# Altium PCB Power_Board.PcbDoc (part 1 of 2)
Units mm, origin at the board's own origin, x right, y up, seen from the top; angles counter-clockwise.
Board outline 100 x 100 mm, 4 copper layers (Top Layer, Signal Layer 1, Signal Layer 2, Bottom Layer), stack 1.551 mm thick; 412 components, 192 nets, 1206 pads, 0 vias.
Unrouted connection lines stored in the file: 963.
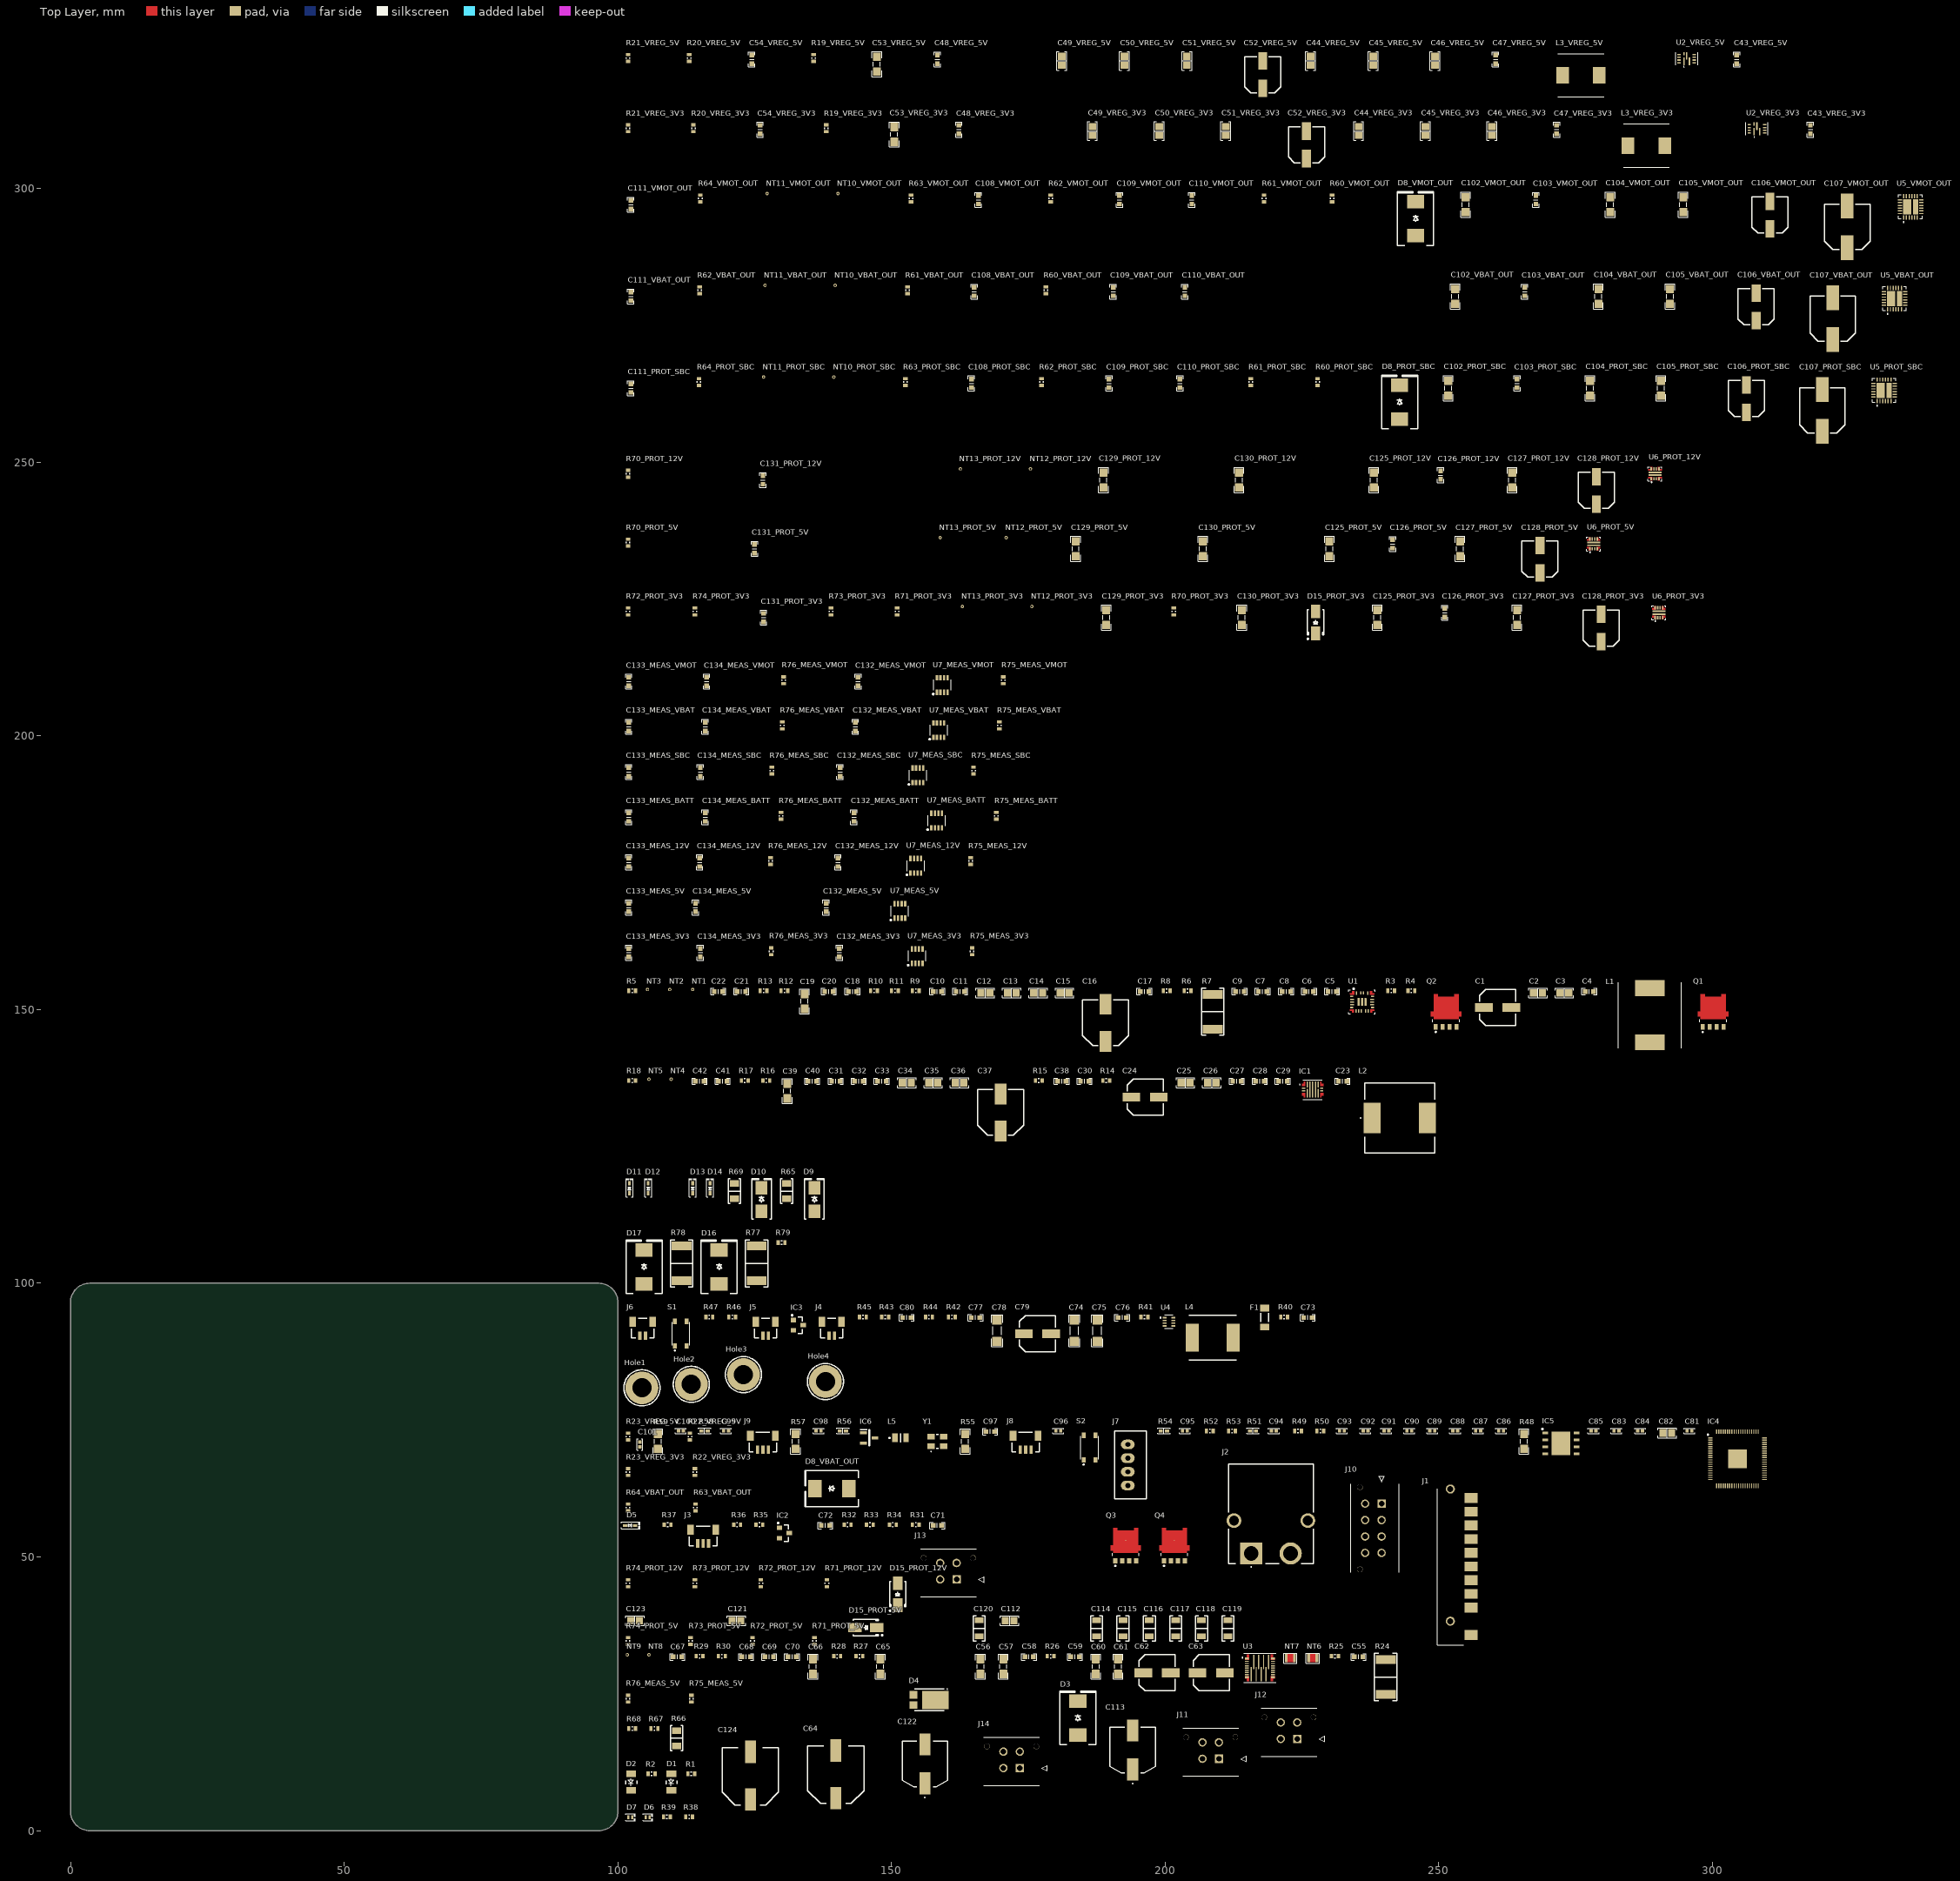
[diagram p0: Top Layer view]
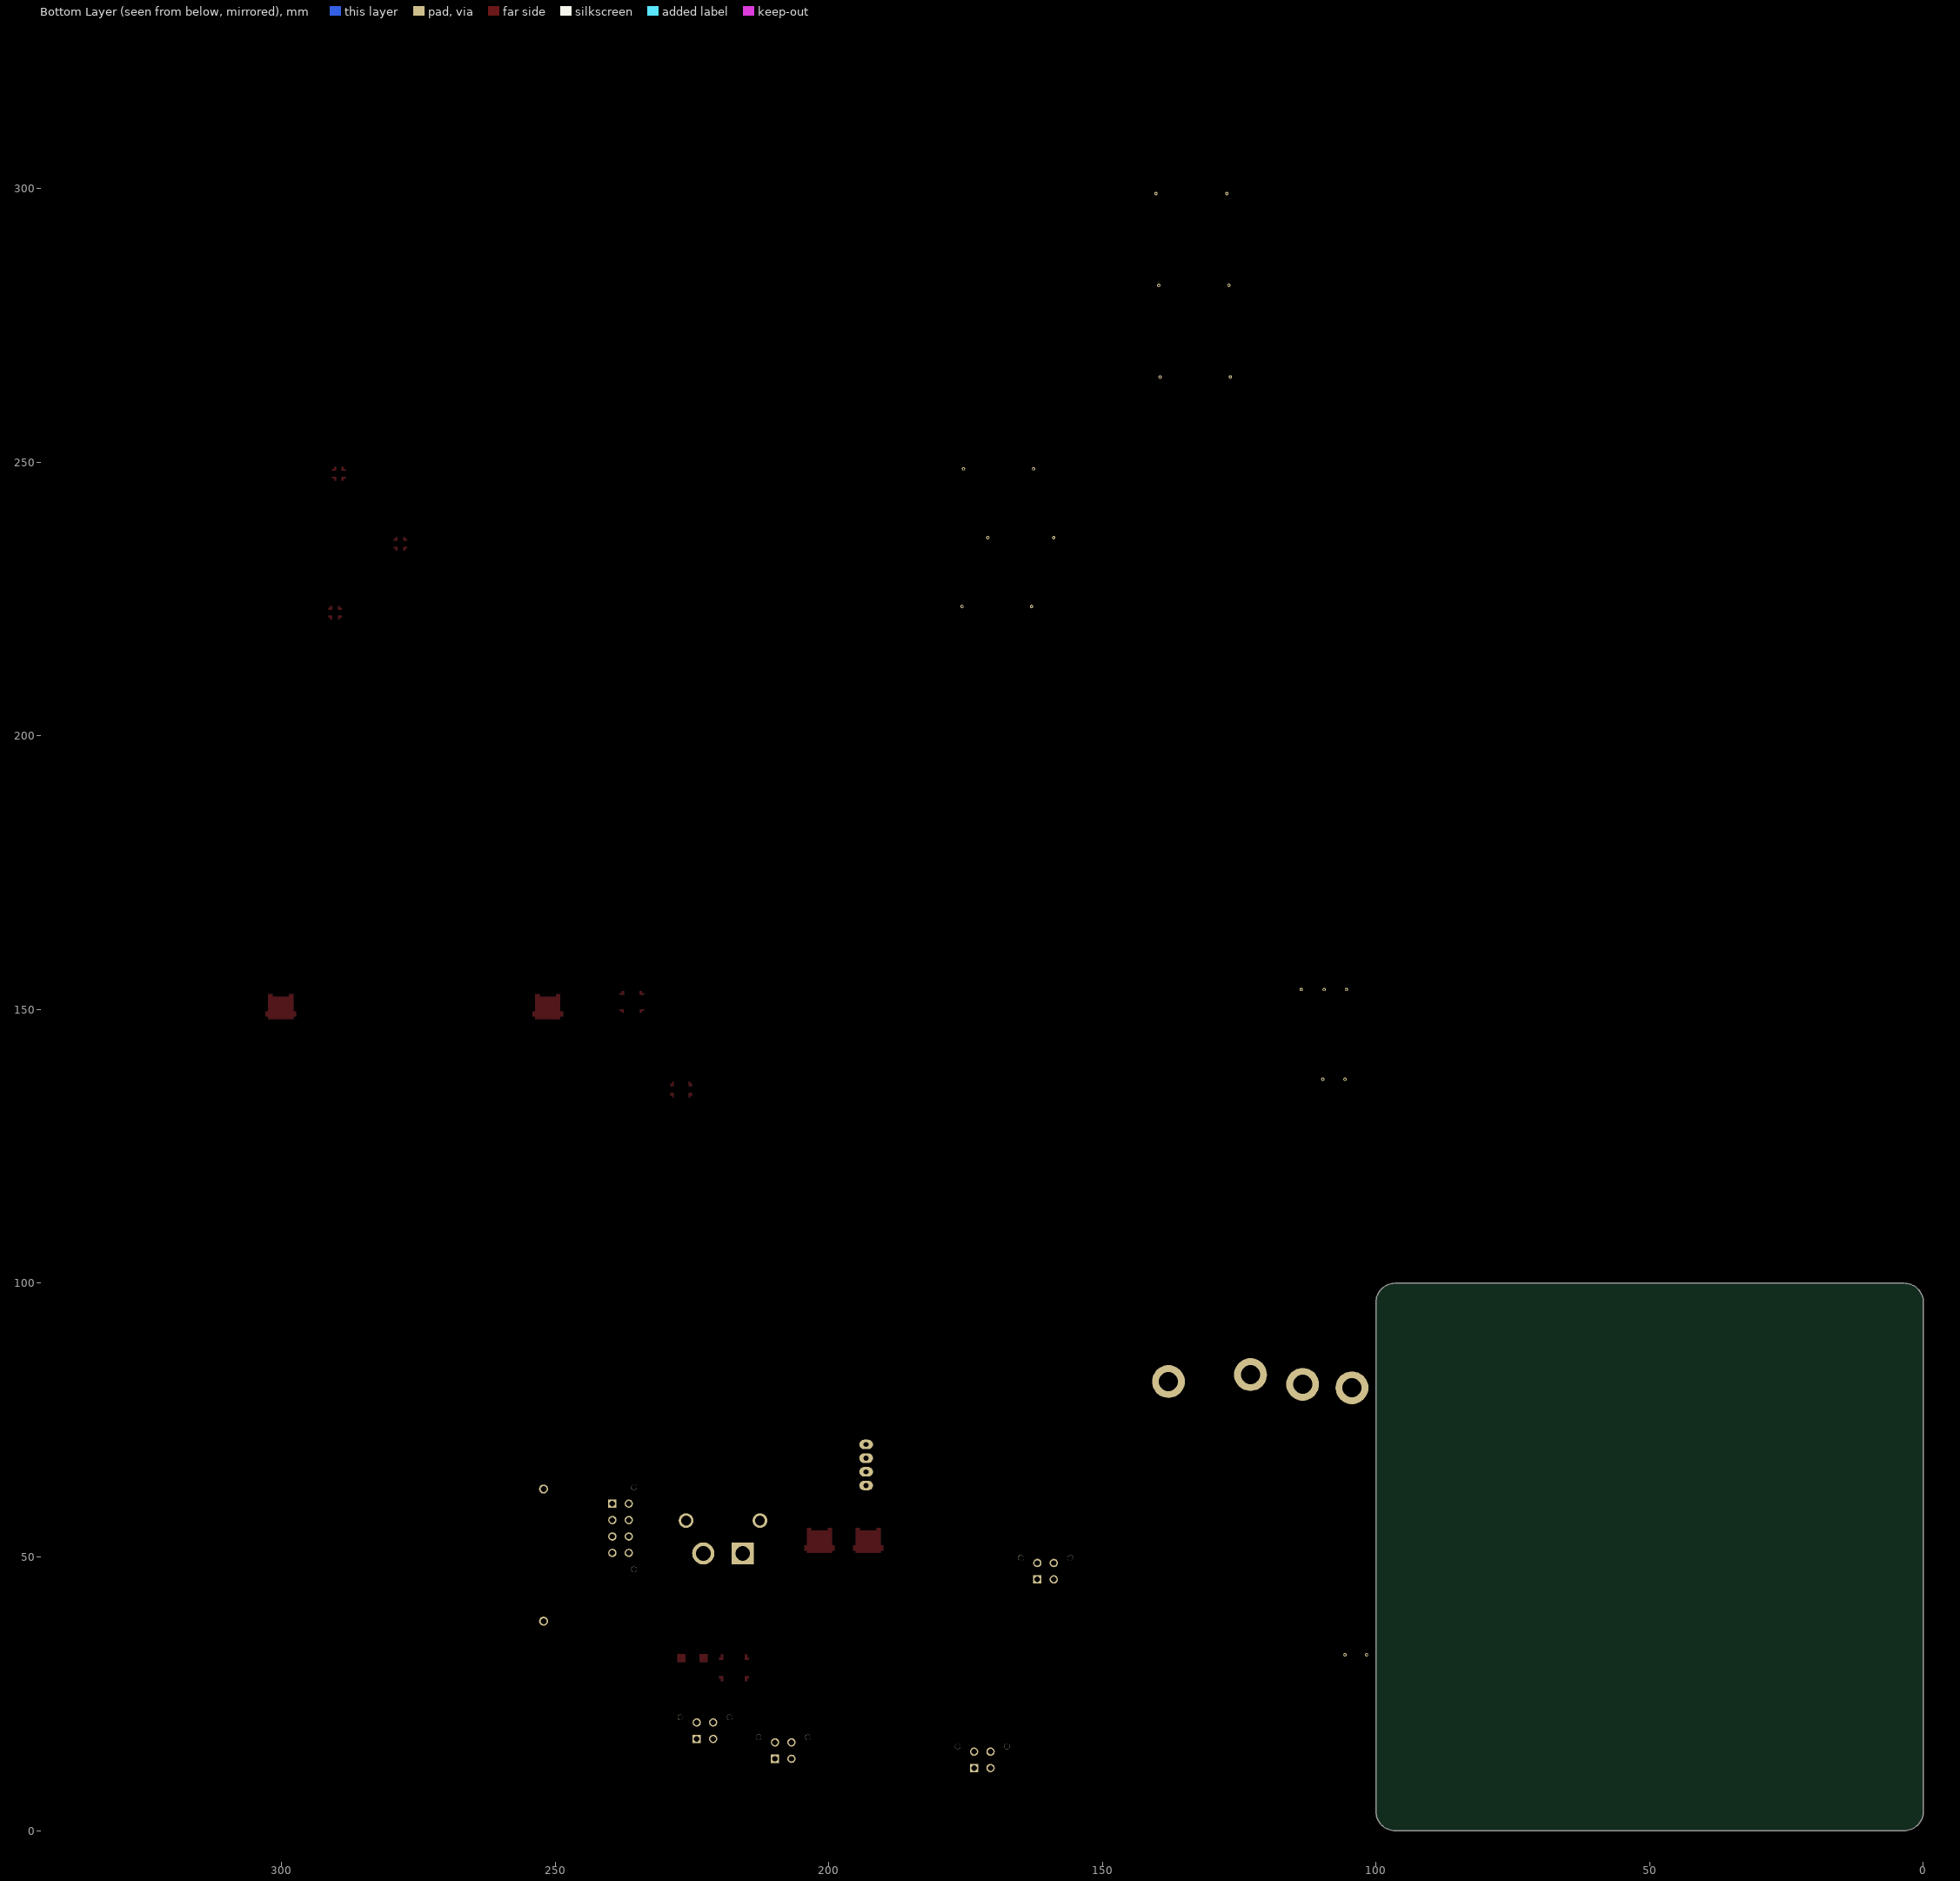
[diagram p1: Bottom Layer view, seen from below]

## Layer stack, top to bottom
Top Solder: solder mask 0.0254, SM-002, Dk 4
Top Layer: signal copper 0.07
Dielectric 2: prepreg 0.2896, PP-006, Dk 4.2
Signal Layer 1: signal copper 0.035
Dielectric 1: core 0.762, FR-4, Dk 4.2
Signal Layer 2: signal copper 0.035
Dielectric 3: prepreg 0.2896, PP-006, Dk 4.2
Bottom Layer: signal copper 0.07
Bottom Solder: solder mask 0.0254, SM-002, Dk 4

## Board outline
3.479,0 cw(c3.479,3.479) 0,3.479 0,96.521 cw(c3.479,96.521) 3.479,100 96.521,100 cw(c96.521,96.521) 100,96.521 100,3.479 cw(c96.521,3.479) 96.521,0

## Design rules (kind name [scope] priority, off if disabled: settings)
BoardOutlineClearance [All] p1: gap=0.2 ignorepadtopadclearanceinfootprint=FALSE
Clearance "Stitching GND" [IsStitchingVia and InNet('GND') vs (IsVia and (Not IsStitchingVia)) Or IsPad] p1: gap=0.2 ignorepadtopadclearanceinfootprint=FALSE except(0.15: SMDPad-SMDPad; 0.28: Arc-Hole Track-Hole)
Clearance [All] p2: gap=0.2 ignorepadtopadclearanceinfootprint=FALSE except(0.15: SMDPad-SMDPad; 0.28: Arc-Hole Track-Hole)
DiffPairsRouting [All] p1: maxlimit=0.254 minlimit=0.254 mostfreqgap=0.254 toplayer_minwidth=0.381 toplayer_maxwidth=0.381 toplayer_prefwidth=0.381 midlayer1_minwidth=0.381 midlayer1_maxwidth=0.381 midlayer1_prefwidth=0.381 midlayer2_minwidth=0.381 midlayer2_maxwidth=0.381 midlayer2_prefwidth=0.381 bottomlayer_minwidth=0.381 bottomlayer_maxwidth=0.381 bottomlayer_prefwidth=0.381 maxuncoupledlength=12.7
HoleSize [All] p1: absolutevalues=TRUE maxlimit=6 minlimit=0.3 maxpercent=80.000 minpercent=20.000
HoleToHoleClearance HoleToHolePad [IsPad vs IsPad] p1: gap=0.45 allowstackedmicrovias=TRUE
HoleToHoleClearance HoleToHoleVia [IsVia vs IsVia] p2: gap=0.2 allowstackedmicrovias=TRUE
HoleToHoleClearance [All] p3: gap=0.3 allowstackedmicrovias=TRUE
MinimumAnnularRing MinimumViaAnnularRing [IsVia] p1: minimumring=0.15
MinimumAnnularRing [All] p2: minimumring=0.254
MinimumSolderMaskSliver [All] p1: minsoldermaskwidth=0.1
PlaneConnect [All] p1: planeconnectstyle=Relief reliefexpansion=0.508 reliefentries=4 reliefconductorwidth=0.32 reliefairgap=0.254
PolygonConnect MolexPwrGND [InNet('GND') vs IsPad And HasFootprint('43045-08YY_121314')] p1: connectstyle=Relief reliefconductorwidth=1 reliefentries=4 polygonreliefangle="90 Angle" conductorbypadedge=TRUE mindistance=0.381 enablemindistance=FALSE airgapwidth=0.35
PolygonConnect DRVTherrmalGND [InNet('GND') vs IsPad And HasFootprint('RXZ0016A-MFG')] p2: connectstyle=Direct reliefconductorwidth=0.254 reliefentries=4 polygonreliefangle="90 Angle" airgapwidth=0.254
PolygonConnect GNDStitchingDirect [InNet('GND')] p3: thpad.connectstyle=Relief thpad.reliefconductorwidth=0.32 thpad.reliefentries=4 thpad.polygonreliefangle="90 Angle" thpad.airgapwidth=0.254 thpad.conductorbypadedge=TRUE thpad.mindistance=0.381 thpad.enablemindistance=FALSE smdpad.connectstyle=Relief smdpad.reliefconductorwidth=0.32 smdpad.reliefentries=4 smdpad.polygonreliefangle="90 Angle" smdpad.airgapwidth=0.254 smdpad.conductorbypadedge=TRUE smdpad.mindistance=0.381 smdpad.enablemindistance=FALSE via.connectstyle=Direct via.reliefconductorwidth=0.254 via.reliefentries=4 via.polygonreliefangle="90 Angle" via.airgapwidth=0.254
PolygonConnect [All] p4: connectstyle=Relief reliefconductorwidth=0.32 reliefentries=4 polygonreliefangle="90 Angle" conductorbypadedge=TRUE mindistance=0.381 enablemindistance=FALSE airgapwidth=0.254
RoutingVias PowerVias [InNetClass('POWER') or InNet('GND')] p1: holewidth=0.5 width=0.8 viastyle="Through Hole" minholewidth=0.3 minwidth=0.6 maxholewidth=1.2 maxwidth=1.6
RoutingVias SignalVias [All] p2: holewidth=0.3 width=0.6 viastyle="Through Hole" minholewidth=0.3 minwidth=0.6 maxholewidth=0.5 maxwidth=0.8
SilkToSilkClearance [All] p1: silktosilkclearance=0.1
SilkToSolderMaskClearance [IsPad] p1: minsilkscreentomaskgap=0.1 clearancetoexposedcopper=TRUE
SolderMaskExpansion [All] p1: expansion=0.05 istentingtop=FALSE
SupplyNets "Schematic Supply Nets_18" [InNet('VSBC')] p1: voltage=20.00
SupplyNets "Schematic Supply Nets_16" [InNet('VMOT')] p2: voltage=12.60
SupplyNets "Schematic Supply Nets_15" [InNet('VBAT_OUT')] p3: voltage=12.60
SupplyNets "Schematic Supply Nets_14" [InNet('+12VR')] p4: voltage=12.00
SupplyNets "Schematic Supply Nets_13" [InNet('+5VR')] p5: voltage=5.000
SupplyNets "Schematic Supply Nets_12" [InNet('+3V3R')] p6: voltage=3.300
SupplyNets "Schematic Supply Nets_11" [InNet('+3V3')] p7: voltage=3.300
SupplyNets "Schematic Supply Nets_10" [InNet('VFBAT')] p8: voltage=12.60
SupplyNets "Schematic Supply Nets" [InNet('GND')] p9: voltage=0.000
SupplyNets "Schematic Supply Nets_70" [InNet('LPGND')] p10: voltage=0.000
SupplyNets "Schematic Supply Nets_69" [InNet('VGND')] p11: voltage=0.000
SupplyNets "Schematic Supply Nets_1" [InNet('HPGND')] p12: voltage=0.000
SupplyNets "Schematic Supply Nets_6" [InNet('FGND')] p13: voltage=0.000
SupplyNets "Schematic Supply Nets_8" [InNet('VBAT')] p14: voltage=12.60
SupplyNets "Schematic Supply Nets_7" [InNet('SVGND')] p15: voltage=0.000
SupplyNets "Schematic Supply Nets_5" [InNet('LVGND')] p16: voltage=0.000
SupplyNets "Schematic Supply Nets_4" [InNet('BGND')] p17: voltage=0.000
Width WidthPower [InNetClass('POWER') or InNet('GND')] p1: maxlimit=3 minlimit=0.2 preferedwidth=0.6
Width WidthSignal [All] p2: maxlimit=1 minlimit=0.2 preferedwidth=0.3
23 further rules are at their usual default settings.

## Classes and differential pairs
component class OUT_CONNS: C112 C113 C114 C115 C116 C117 C118 C119 C120 C121 C122 C123 C124 J10 J11 J12 J13 J14
channel class Power_Measurement: MEAS_3V3 MEAS_5V MEAS_12V MEAS_BATT MEAS_SBC MEAS_VBAT MEAS_VMOT
component class VBAT_OUTS: D16 D17 R77 R78 R79
component class MEAS_VMOT: C132_MEAS_VMOT C133_MEAS_VMOT C134_MEAS_VMOT R75_MEAS_VMOT R76_MEAS_VMOT U7_MEAS_VMOT
component class MEAS_VBAT: C132_MEAS_VBAT C133_MEAS_VBAT C134_MEAS_VBAT R75_MEAS_VBAT R76_MEAS_VBAT U7_MEAS_VBAT
component class MEAS_SBC: C132_MEAS_SBC C133_MEAS_SBC C134_MEAS_SBC R75_MEAS_SBC R76_MEAS_SBC U7_MEAS_SBC
component class MEAS_BATT: C132_MEAS_BATT C133_MEAS_BATT C134_MEAS_BATT R75_MEAS_BATT R76_MEAS_BATT U7_MEAS_BATT
component class MEAS_12V: C132_MEAS_12V C133_MEAS_12V C134_MEAS_12V R75_MEAS_12V R76_MEAS_12V U7_MEAS_12V
component class MEAS_5V: C132_MEAS_5V C133_MEAS_5V C134_MEAS_5V R75_MEAS_5V R76_MEAS_5V U7_MEAS_5V
component class MEAS_3V3: C132_MEAS_3V3 C133_MEAS_3V3 C134_MEAS_3V3 R75_MEAS_3V3 R76_MEAS_3V3 U7_MEAS_3V3
channel class Voltage_Buck_3A: VREG_3V3 VREG_5V
channel class STD_Protect: PROT_3V3 PROT_5V PROT_12V
channel class HPW_Protect: PROT_SBC VBAT_OUT VMOT_OUT
component class VOLT_REGS: D9 D10 D11 D12 D13 D14 R65 R66 R67 R68 R69
component class PROT_SBC: C102_PROT_SBC C103_PROT_SBC C104_PROT_SBC C105_PROT_SBC C106_PROT_SBC C107_PROT_SBC C108_PROT_SBC C109_PROT_SBC C110_PROT_SBC C111_PROT_SBC D8_PROT_SBC NT10_PROT_SBC NT11_PROT_SBC R60_PROT_SBC R61_PROT_SBC R62_PROT_SBC R63_PROT_SBC R64_PROT_SBC U5_PROT_SBC
component class PROT_12V: C125_PROT_12V C126_PROT_12V C127_PROT_12V C128_PROT_12V C129_PROT_12V C130_PROT_12V C131_PROT_12V D15_PROT_12V NT12_PROT_12V NT13_PROT_12V R70_PROT_12V R71_PROT_12V R72_PROT_12V R73_PROT_12V R74_PROT_12V U6_PROT_12V
component class PROT_5V: C125_PROT_5V C126_PROT_5V C127_PROT_5V C128_PROT_5V C129_PROT_5V C130_PROT_5V C131_PROT_5V D15_PROT_5V NT12_PROT_5V NT13_PROT_5V R70_PROT_5V R71_PROT_5V R72_PROT_5V R73_PROT_5V R74_PROT_5V U6_PROT_5V
component class PROT_3V3: C125_PROT_3V3 C126_PROT_3V3 C127_PROT_3V3 C128_PROT_3V3 C129_PROT_3V3 C130_PROT_3V3 C131_PROT_3V3 D15_PROT_3V3 NT12_PROT_3V3 NT13_PROT_3V3 R70_PROT_3V3 R71_PROT_3V3 R72_PROT_3V3 R73_PROT_3V3 R74_PROT_3V3 U6_PROT_3V3
component class VREG_12V: C23 C24 C25 C26 C27 C28 C29 C30 C31 C32 C33 C34 C35 C36 C37 C38 C39 C40 C41 C42 IC1 L2 NT4 NT5 R14 R15 R16 R17 R18
component class VREG_5V: C43_VREG_5V C44_VREG_5V C45_VREG_5V C46_VREG_5V C47_VREG_5V C48_VREG_5V C49_VREG_5V C50_VREG_5V C51_VREG_5V C52_VREG_5V C53_VREG_5V C54_VREG_5V L3_VREG_5V R19_VREG_5V R20_VREG_5V R21_VREG_5V R22_VREG_5V R23_VREG_5V U2_VREG_5V
component class VREG_3V3: C43_VREG_3V3 C44_VREG_3V3 C45_VREG_3V3 C46_VREG_3V3 C47_VREG_3V3 C48_VREG_3V3 C49_VREG_3V3 C50_VREG_3V3 C51_VREG_3V3 C52_VREG_3V3 C53_VREG_3V3 C54_VREG_3V3 L3_VREG_3V3 R19_VREG_3V3 R20_VREG_3V3 R21_VREG_3V3 R22_VREG_3V3 R23_VREG_3V3 U2_VREG_3V3
component class VMOT_OUT: C102_VMOT_OUT C103_VMOT_OUT C104_VMOT_OUT C105_VMOT_OUT C106_VMOT_OUT C107_VMOT_OUT C108_VMOT_OUT C109_VMOT_OUT C110_VMOT_OUT C111_VMOT_OUT D8_VMOT_OUT NT10_VMOT_OUT NT11_VMOT_OUT R60_VMOT_OUT R61_VMOT_OUT R62_VMOT_OUT R63_VMOT_OUT R64_VMOT_OUT U5_VMOT_OUT
component class VBAT_OUT: C102_VBAT_OUT C103_VBAT_OUT C104_VBAT_OUT C105_VBAT_OUT C106_VBAT_OUT C107_VBAT_OUT C108_VBAT_OUT C109_VBAT_OUT C110_VBAT_OUT C111_VBAT_OUT D8_VBAT_OUT NT10_VBAT_OUT NT11_VBAT_OUT R60_VBAT_OUT R61_VBAT_OUT R62_VBAT_OUT R63_VBAT_OUT R64_VBAT_OUT U5_VBAT_OUT
component class PWR: C73 C74 C75 C76 C77 C78 C79 C80 F1 IC3 J4 J5 J6 L4 R40 R41 R42 R43 R44 R45 R46 R47 S1 U4
component class MCU: C81 C82 C83 C84 C85 C86 C87 C88 C89 C90 C91 C92 C93 C94 C95 C96 C97 C98 C99 C100 C101 IC4 IC5 IC6 J7 J8 J9 L5 R48 R49 R50 R51 R52 R53 R54 R55 R56 R57 R58 R59 S2 Y1
component class VREG_SBC: C1 C2 C3 C4 C5 C6 C7 C8 C9 C10 C11 C12 C13 C14 C15 C16 C17 C18 C19 C20 C21 C22 L1 NT1 NT2 NT3 Q1 Q2 R3 R4 R5 R6 R7 R8 R9 R10 R11 R12 R13 U1
component class Power_Board: D1 D2 Hole1 Hole2 Hole3 Hole4 R1 R2
component class CHG_CONN: C71 C72 D5 D6 D7 IC2 J2 J3 Q3 Q4 R31 R32 R33 R34 R35 R36 R37 R38 R39
component class BATT: C55 C56 C57 C58 C59 C60 C61 C62 C63 C64 C65 C66 C67 C68 C69 C70 D3 D4 J1 NT6 NT7 NT8 NT9 R24 R25 R26 R27 R28 R29 R30 U3
differential pair USB_DIFF: +USB_DIFF_P -USB_DIFF_N

## Components (designator, comment, footprint, x,y, rotation, side; value= is the part's Value field where it differs from the comment)
C1 "68 µF" "CAP ALSMD 6.6MM H7.7MM" 260.731,150.368 r0 top
C2 "10uF" "CAP 0805_2012" 268.097,153.035 r0 top
C3 "10uF" "CAP 0805_2012" 272.923,153.035 r0 top
C4 "1uF" CAP_SMD_603 277.495,153.289 r0 top
C5 "100nF" CAP_SMD_603 230.505,153.289 r0 top
C6 "100nF" CAP_SMD_603 226.314,153.289 r0 top
C7 "1uF" CAP_SMD_603 217.805,153.289 r0 top
C8 "100nF" CAP_SMD_603 222.123,153.289 r0 top
C9 "100nF" CAP_SMD_603 213.614,153.289 r0 top
C10 "100nF" CAP_SMD_603 158.369,153.289 r0 top
C11 "1uF" CAP_SMD_603 162.56,153.289 r0 top
C12 "10uF" "CAP 0805_2012" 167.132,153.035 r0 top
C13 "10uF" "CAP 0805_2012" 171.958,153.035 r0 top
C14 "10uF" "CAP 0805_2012" 176.784,153.035 r0 top
C15 "22 µF" "CAP 0805_2012" 181.61,153.035 r0 top
C16 "A768KS337M1ELAS019" CAPAE830X1250N 189.103,147.574 r90 top value=330uF
C17 "22pF" CAP_SMD_603 196.215,153.289 r0 top
C18 "5.6nF" CAP_SMD_603 142.875,153.289 r0 top
C19 "4.7uF" CAP_SMD_805 134.112,151.511 r90 top
C20 "100nF" CAP_SMD_603 138.557,153.289 r0 top
C21 "100pF" CAP_SMD_603 122.555,153.289 r0 top
C22 "2.7nF" CAP_SMD_603 118.364,153.289 r0 top
C23 "100nF" CAP_SMD_603 232.41,136.906 r0 top
C24 "68 µF" "CAP ALSMD 6.6MM H7.7MM" 196.342,133.985 r0 top
C25 "10uF" "CAP 0805_2012" 203.708,136.652 r0 top
C26 "10uF" "CAP 0805_2012" 208.534,136.652 r0 top
C27 "1uF" CAP_SMD_603 213.106,136.906 r0 top
C28 "100nF" CAP_SMD_603 217.297,136.906 r0 top
C29 "100nF" CAP_SMD_603 221.488,136.906 r0 top
C30 "100nF" CAP_SMD_603 185.293,136.906 r0 top
C31 "100nF" CAP_SMD_603 139.827,136.906 r0 top
C32 "100nF" CAP_SMD_603 144.018,136.906 r0 top
C33 "1uF" CAP_SMD_603 148.209,136.906 r0 top
C34 "10uF" "CAP 0805_2012" 152.781,136.652 r0 top
C35 "10uF" "CAP 0805_2012" 157.607,136.652 r0 top
C36 "10uF" "CAP 0805_2012" 162.433,136.652 r0 top
C37 "A768KS337M1ELAS019" CAPAE830X1250N 169.926,131.191 r90 top value=330uF
C38 "22pF" CAP_SMD_603 181.102,136.906 r0 top
C39 "4.7uF" CAP_SMD_805 130.937,135.128 r90 top
C40 "100nF" CAP_SMD_603 135.509,136.906 r0 top
C41 "8.2pF" CAP_SMD_603 119.126,136.906 r0 top
C42 "1.8nF" CAP_SMD_603 114.935,136.906 r0 top
C43_VREG_3V3 "100nF" CAP_SMD_603 317.881,310.769 r90 top (schematic designator C43)
C43_VREG_5V "100nF" CAP_SMD_603 304.419,323.596 r90 top (schematic designator C43)
C44_VREG_3V3 "10uF" "CAP 0805_2012" 235.331,310.515 r90 top (schematic designator C44)
C44_VREG_5V "10uF" "CAP 0805_2012" 226.568,323.342 r90 top (schematic designator C44)
C45_VREG_3V3 "10uF" "CAP 0805_2012" 247.523,310.515 r90 top (schematic designator C45)
C45_VREG_5V "10uF" "CAP 0805_2012" 237.998,323.342 r90 top (schematic designator C45)
C46_VREG_3V3 "10uF" "CAP 0805_2012" 259.715,310.515 r90 top (schematic designator C46)
C46_VREG_5V "10uF" "CAP 0805_2012" 249.301,323.342 r90 top (schematic designator C46)
C47_VREG_3V3 "100nF" CAP_SMD_603 271.526,310.769 r90 top (schematic designator C47)
C47_VREG_5V "100nF" CAP_SMD_603 260.35,323.596 r90 top (schematic designator C47)
C48_VREG_3V3 "22pF" CAP_SMD_603 162.306,310.769 r90 top (schematic designator C48)
C48_VREG_5V "22pF" CAP_SMD_603 158.369,323.596 r90 top (schematic designator C48)
C49_VREG_3V3 "22 µF" "CAP 0805_2012" 186.69,310.515 r90 top (schematic designator C49)
C49_VREG_5V "22 µF" "CAP 0805_2012" 181.102,323.342 r90 top (schematic designator C49)
C50_VREG_3V3 "22 µF" "CAP 0805_2012" 198.882,310.515 r90 top (schematic designator C50)
C50_VREG_5V "22 µF" "CAP 0805_2012" 192.532,323.342 r90 top (schematic designator C50)
C51_VREG_3V3 "22 µF" "CAP 0805_2012" 211.074,310.515 r90 top (schematic designator C51)
C51_VREG_5V "22 µF" "CAP 0805_2012" 203.962,323.342 r90 top (schematic designator C51)
C52_VREG_3V3 "100 µF" "CAP ALSMD 6.6MM H8.0MM" 225.806,307.975 r90 top (schematic designator C52)
C52_VREG_5V "100 µF" "CAP ALSMD 6.6MM H8.0MM" 217.805,320.802 r90 top (schematic designator C52)
C53_VREG_3V3 "1uF" CAP_SMD_805 150.495,309.88 r90 top (schematic designator C53)
C53_VREG_5V "1uF" CAP_SMD_805 147.32,322.707 r90 top (schematic designator C53)
C54_VREG_3V3 "47nF" CAP_SMD_603 125.984,310.769 r90 top (schematic designator C54)
C54_VREG_5V "47nF" CAP_SMD_603 124.46,323.596 r90 top (schematic designator C54)
C55 "100nF" CAP_SMD_603 235.331,31.75 r0 top
C56 "1uF" CAP_SMD_805 166.243,29.972 r90 top
C57 "1uF" CAP_SMD_805 170.434,29.972 r90 top
C58 "100nF" CAP_SMD_603 175.133,31.75 r0 top
C59 "100nF" CAP_SMD_603 183.515,31.75 r0 top
C60 "1uF" CAP_SMD_805 187.325,29.972 r90 top
C61 "2.2uF" CAP_SMD_805 191.389,29.972 r90 top
C62 "100uF" "CAP ALSMD 6.6MM H5.4MM" 198.501,28.829 r0 top
C63 "100uF" "CAP ALSMD 6.6MM H5.4MM" 208.407,28.829 r0 top
C64 "EEH-ZS1E102UP" EEHZS1H221P 139.827,10.287 r90 top value=1000uF
C65 "2.2uF" CAP_SMD_805 147.955,29.972 r90 top
C66 "1nF" CAP_SMD_805 135.636,29.972 r90 top
C67 "330nF" CAP_SMD_603 110.871,31.75 r0 top
C68 "330nF" CAP_SMD_603 123.444,31.75 r0 top
C69 "22pF" CAP_SMD_603 127.635,31.75 r0 top
C70 "1nF" CAP_SMD_603 131.826,31.75 r0 top
C71 "100nF" CAP_SMD_603 158.369,55.753 r0 top
C72 "22nF" CAP_SMD_603 137.922,55.753 r0 top
C73 "100nF" CAP_SMD_603 226.06,93.726 r0 top
C74 "10uF" CAP_SMD_1206 183.388,91.313 r90 top
C75 "10uF" CAP_SMD_1206 187.579,91.313 r90 top
C76 "100nF" CAP_SMD_603 192.151,93.726 r0 top
C77 "100nF" CAP_SMD_603 165.354,93.726 r0 top
C78 "10uF" CAP_SMD_1206 169.291,91.313 r90 top
C79 "47 µF" "CAP ALSMD 6.6MM H5.4MM" 176.657,90.805 r0 top
C80 "33nF" CAP_SMD_603 152.781,93.726 r0 top
C81 "100nF" "CAP 0402_1005" 295.783,73.025 r0 top
C82 "10uF" "CAP 0805_2012" 291.719,72.644 r0 top
C83 "100nF" "CAP 0402_1005" 282.448,73.025 r0 top
C84 "100nF" "CAP 0402_1005" 286.766,73.025 r0 top
C85 "100nF" "CAP 0402_1005" 278.257,73.025 r0 top
C86 "100nF" "CAP 0402_1005" 261.366,73.025 r0 top
C87 "100nF" "CAP 0402_1005" 257.175,73.025 r0 top
C88 "100nF" "CAP 0402_1005" 252.984,73.025 r0 top
C89 "470nF" "CAP 0402_1005" 248.793,73.025 r0 top
C90 "100nF" "CAP 0402_1005" 244.602,73.025 r0 top
C91 "100nF" "CAP 0402_1005" 240.411,73.025 r0 top
C92 "100nF" "CAP 0402_1005" 236.601,73.025 r0 top
C93 "100nF" "CAP 0402_1005" 232.283,73.025 r0 top
C94 "100nF" "CAP 0402_1005" 219.837,73.025 r0 top
C95 "470nF" "CAP 0402_1005" 203.581,73.025 r0 top
C96 "15pF" "CAP 0402_1005" 180.467,73.025 r0 top
C97 "100nF" CAP_SMD_603 168.021,72.898 r0 top
C98 "470nF" "CAP 0402_1005" 136.652,73.025 r0 top
C99 "15pF" "CAP 0402_1005" 119.761,73.025 r0 top
C100 "470nF" "CAP 0402_1005" 111.506,73.025 r0 top
C101 "470nF" "CAP 0402_1005" 104.013,70.544 r90 top
C102_PROT_SBC "1uF" CAP_SMD_805 251.714,263.525 r90 top (schematic designator C102)
C102_VBAT_OUT "1uF" CAP_SMD_805 252.984,280.289 r90 top (schematic designator C102)
C102_VMOT_OUT "1uF" CAP_SMD_805 254.889,297.053 r90 top (schematic designator C102)
C103_PROT_SBC "10nF" CAP_SMD_603 264.287,264.414 r90 top (schematic designator C103)